# KiCad board demomatrix.kicad_pcb (continued)
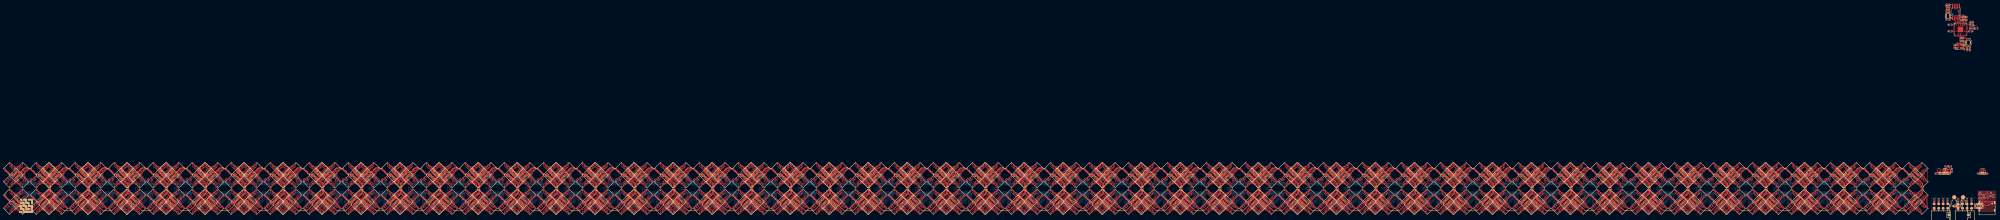
[diagram p0: board, top side]
## Nets (continued)
rgbs[3]-cathodes-cathode-50: LED208.1 U61.16
rgbs[3]-cathodes-cathode-51: LED204.1 U61.17
rgbs[3]-cathodes-cathode-52: LED204.3 U61.18
rgbs[3]-cathodes-cathode-53: LED204.5 U61.19
rgbs[3]-cathodes-cathode-54: LED204.7 U61.20
rgbs[3]-cathodes-cathode-55: LED196.3 U61.6
rgbs[3]-cathodes-cathode-56: LED196.5 U61.7
rgbs[3]-cathodes-cathode-57: LED196.7 U61.8
rgbs[3]-cathodes-cathode-58: LED200.1 U61.9
rgbs[3]-cathodes-cathode-59: LED200.3 U61.10
rgbs[3]-cathodes-cathode-60: LED200.5 U61.11
rgbs[3]-cathodes-cathode-61: LED200.7 U61.12
rgbs[3]-cathodes-cathode-62: LED208.7 U61.13
rgbs[3]-cathodes-cathode-63: LED208.5 U61.14
rgbs[3]-cathodes-cathode-64: LED212.1 U66.5
rgbs[3]-cathodes-cathode-65: LED224.3 U66.15
rgbs[3]-cathodes-cathode-66: LED224.1 U66.16
rgbs[3]-cathodes-cathode-67: LED220.1 U66.17
rgbs[3]-cathodes-cathode-68: LED220.3 U66.18
rgbs[3]-cathodes-cathode-69: LED220.5 U66.19
rgbs[3]-cathodes-cathode-70: LED220.7 U66.20
rgbs[3]-cathodes-cathode-71: LED212.3 U66.6
rgbs[3]-cathodes-cathode-72: LED212.5 U66.7
rgbs[3]-cathodes-cathode-73: LED212.7 U66.8
rgbs[3]-cathodes-cathode-74: LED216.1 U66.9
rgbs[3]-cathodes-cathode-75: LED216.3 U66.10
rgbs[3]-cathodes-cathode-76: LED216.5 U66.11
rgbs[3]-cathodes-cathode-77: LED216.7 U66.12
rgbs[3]-cathodes-cathode-78: LED224.7 U66.13
rgbs[3]-cathodes-cathode-79: LED224.5 U66.14
rgbs[3]-cathodes-cathode-80: LED228.1 U71.5
rgbs[3]-cathodes-cathode-81: LED240.3 U71.15
rgbs[3]-cathodes-cathode-82: LED240.1 U71.16
rgbs[3]-cathodes-cathode-83: LED236.1 U71.17
rgbs[3]-cathodes-cathode-84: LED236.3 U71.18
rgbs[3]-cathodes-cathode-85: LED236.5 U71.19
rgbs[3]-cathodes-cathode-86: LED236.7 U71.20
rgbs[3]-cathodes-cathode-87: LED228.3 U71.6
rgbs[3]-cathodes-cathode-88: LED228.5 U71.7
rgbs[3]-cathodes-cathode-89: LED228.7 U71.8
rgbs[3]-cathodes-cathode-90: LED232.1 U71.9
rgbs[3]-cathodes-cathode-91: LED232.3 U71.10
rgbs[3]-cathodes-cathode-92: LED232.5 U71.11
rgbs[3]-cathodes-cathode-93: LED232.7 U71.12
rgbs[3]-cathodes-cathode-94: LED240.7 U71.13
rgbs[3]-cathodes-cathode-95: LED240.5 U71.14
rgbs[3]-cathodes-cathode-96: LED244.1 U76.5
rgbs[3]-cathodes-cathode-97: LED256.3 U76.15
rgbs[3]-cathodes-cathode-98: LED256.1 U76.16
rgbs[3]-cathodes-cathode-99: LED252.1 U76.17
rgbs[3]-cathodes-cathode-100: LED252.3 U76.18
rgbs[3]-cathodes-cathode-101: LED252.5 U76.19
rgbs[3]-cathodes-cathode-102: LED252.7 U76.20
rgbs[3]-cathodes-cathode-103: LED244.3 U76.6
rgbs[3]-cathodes-cathode-104: LED244.5 U76.7
rgbs[3]-cathodes-cathode-105: LED244.7 U76.8
rgbs[3]-cathodes-cathode-106: LED248.1 U76.9
rgbs[3]-cathodes-cathode-107: LED248.3 U76.10
rgbs[3]-cathodes-cathode-108: LED248.5 U76.11
rgbs[3]-cathodes-cathode-109: LED248.7 U76.12
rgbs[3]-cathodes-cathode-110: LED256.7 U76.13
rgbs[3]-cathodes-cathode-111: LED256.5 U76.14
rgbs[3]-cathodes-cathode-112: LED260.1 U81.5
rgbs[3]-cathodes-cathode-113: LED272.3 U81.15
rgbs[3]-cathodes-cathode-114: LED272.1 U81.16
rgbs[3]-cathodes-cathode-115: LED268.1 U81.17
rgbs[3]-cathodes-cathode-116: LED268.3 U81.18
rgbs[3]-cathodes-cathode-117: LED268.5 U81.19
rgbs[3]-cathodes-cathode-118: LED268.7 U81.20
rgbs[3]-cathodes-cathode-119: LED260.3 U81.6
rgbs[3]-cathodes-cathode-120: LED260.5 U81.7
rgbs[3]-cathodes-cathode-121: LED260.7 U81.8
rgbs[3]-cathodes-cathode-122: LED264.1 U81.9
rgbs[3]-cathodes-cathode-123: LED264.3 U81.10
rgbs[3]-cathodes-cathode-124: LED264.5 U81.11
rgbs[3]-cathodes-cathode-125: LED264.7 U81.12
rgbs[3]-cathodes-cathode-126: LED272.7 U81.13
rgbs[3]-cathodes-cathode-127: LED272.5 U81.14
rgbs[3]-cathodes-cathode-128: LED276.1 U86.5
rgbs[3]-cathodes-cathode-129: LED288.3 U86.15
rgbs[3]-cathodes-cathode-130: LED288.1 U86.16
rgbs[3]-cathodes-cathode-131: LED284.1 U86.17
rgbs[3]-cathodes-cathode-132: LED284.3 U86.18
rgbs[3]-cathodes-cathode-133: LED284.5 U86.19
rgbs[3]-cathodes-cathode-134: LED284.7 U86.20
rgbs[3]-cathodes-cathode-135: LED276.3 U86.6
rgbs[3]-cathodes-cathode-136: LED276.5 U86.7
rgbs[3]-cathodes-cathode-137: LED276.7 U86.8
rgbs[3]-cathodes-cathode-138: LED280.1 U86.9
rgbs[3]-cathodes-cathode-139: LED280.3 U86.10
rgbs[3]-cathodes-cathode-140: LED280.5 U86.11
rgbs[3]-cathodes-cathode-141: LED280.7 U86.12
rgbs[3]-cathodes-cathode-142: LED288.7 U86.13
rgbs[3]-cathodes-cathode-143: LED288.5 U86.14
rgbs[3]-cathodes-cathode-144: LED292.1 U91.5
rgbs[3]-cathodes-cathode-145: LED304.3 U91.15
rgbs[3]-cathodes-cathode-146: LED304.1 U91.16
rgbs[3]-cathodes-cathode-147: LED300.1 U91.17
rgbs[3]-cathodes-cathode-148: LED300.3 U91.18
rgbs[3]-cathodes-cathode-149: LED300.5 U91.19
rgbs[3]-cathodes-cathode-150: LED300.7 U91.20
rgbs[3]-cathodes-cathode-151: LED292.3 U91.6
rgbs[3]-cathodes-cathode-152: LED292.5 U91.7
rgbs[3]-cathodes-cathode-153: LED292.7 U91.8
rgbs[3]-cathodes-cathode-154: LED296.1 U91.9
rgbs[3]-cathodes-cathode-155: LED296.3 U91.10
rgbs[3]-cathodes-cathode-156: LED296.5 U91.11
rgbs[3]-cathodes-cathode-157: LED296.7 U91.12
rgbs[3]-cathodes-cathode-158: LED304.7 U91.13
rgbs[3]-cathodes-cathode-159: LED304.5 U91.14
rgbs[3]-cathodes-cathode-160: LED308.1 U96.5
rgbs[3]-cathodes-cathode-161: LED320.3 U96.15
rgbs[3]-cathodes-cathode-162: LED320.1 U96.16
rgbs[3]-cathodes-cathode-163: LED316.1 U96.17
rgbs[3]-cathodes-cathode-164: LED316.3 U96.18
rgbs[3]-cathodes-cathode-165: LED316.5 U96.19
rgbs[3]-cathodes-cathode-166: LED316.7 U96.20
rgbs[3]-cathodes-cathode-167: LED308.3 U96.6
rgbs[3]-cathodes-cathode-168: LED308.5 U96.7
rgbs[3]-cathodes-cathode-169: LED308.7 U96.8
rgbs[3]-cathodes-cathode-170: LED312.1 U96.9
rgbs[3]-cathodes-cathode-171: LED312.3 U96.10
rgbs[3]-cathodes-cathode-172: LED312.5 U96.11
rgbs[3]-cathodes-cathode-173: LED312.7 U96.12
rgbs[3]-cathodes-cathode-174: LED320.7 U96.13
rgbs[3]-cathodes-cathode-175: LED320.5 U96.14
rgbs[3]-cathodes-cathode-176: LED20.1 U6.5
rgbs[3]-cathodes-cathode-177: LED32.3 U6.15
rgbs[3]-cathodes-cathode-178: LED32.1 U6.16
rgbs[3]-cathodes-cathode-179: LED28.1 U6.17
rgbs[3]-cathodes-cathode-180: LED28.3 U6.18
rgbs[3]-cathodes-cathode-181: LED28.5 U6.19
rgbs[3]-cathodes-cathode-182: LED28.7 U6.20
rgbs[3]-cathodes-cathode-183: LED20.3 U6.6
rgbs[3]-cathodes-cathode-184: LED20.5 U6.7
rgbs[3]-cathodes-cathode-185: LED20.7 U6.8
rgbs[3]-cathodes-cathode-186: LED24.1 U6.9
rgbs[3]-cathodes-cathode-187: LED24.3 U6.10
rgbs[3]-cathodes-cathode-188: LED24.5 U6.11
rgbs[3]-cathodes-cathode-189: LED24.7 U6.12
rgbs[3]-cathodes-cathode-190: LED32.7 U6.13
rgbs[3]-cathodes-cathode-191: LED32.5 U6.14
rgbs[3]-cathodes-cathode-192: LED324.1 U101.5
rgbs[3]-cathodes-cathode-193: LED336.3 U101.15
rgbs[3]-cathodes-cathode-194: LED336.1 U101.16
rgbs[3]-cathodes-cathode-195: LED332.1 U101.17
rgbs[3]-cathodes-cathode-196: LED332.3 U101.18
rgbs[3]-cathodes-cathode-197: LED332.5 U101.19
rgbs[3]-cathodes-cathode-198: LED332.7 U101.20
rgbs[3]-cathodes-cathode-199: LED324.3 U101.6
rgbs[3]-cathodes-cathode-200: LED324.5 U101.7
rgbs[3]-cathodes-cathode-201: LED324.7 U101.8
rgbs[3]-cathodes-cathode-202: LED328.1 U101.9
rgbs[3]-cathodes-cathode-203: LED328.3 U101.10
rgbs[3]-cathodes-cathode-204: LED328.5 U101.11
rgbs[3]-cathodes-cathode-205: LED328.7 U101.12
rgbs[3]-cathodes-cathode-206: LED336.7 U101.13
rgbs[3]-cathodes-cathode-207: LED336.5 U101.14
rgbs[3]-cathodes-cathode-208: LED340.1 U106.5
rgbs[3]-cathodes-cathode-209: LED352.3 U106.15
rgbs[3]-cathodes-cathode-210: LED352.1 U106.16
rgbs[3]-cathodes-cathode-211: LED348.1 U106.17
rgbs[3]-cathodes-cathode-212: LED348.3 U106.18
rgbs[3]-cathodes-cathode-213: LED348.5 U106.19
rgbs[3]-cathodes-cathode-214: LED348.7 U106.20
rgbs[3]-cathodes-cathode-215: LED340.3 U106.6
rgbs[3]-cathodes-cathode-216: LED340.5 U106.7
rgbs[3]-cathodes-cathode-217: LED340.7 U106.8
rgbs[3]-cathodes-cathode-218: LED344.1 U106.9
rgbs[3]-cathodes-cathode-219: LED344.3 U106.10
rgbs[3]-cathodes-cathode-220: LED344.5 U106.11
rgbs[3]-cathodes-cathode-221: LED344.7 U106.12
rgbs[3]-cathodes-cathode-222: LED352.7 U106.13
rgbs[3]-cathodes-cathode-223: LED352.5 U106.14
rgbs[3]-cathodes-cathode-224: LED356.1 U111.5
rgbs[3]-cathodes-cathode-225: LED368.3 U111.15
rgbs[3]-cathodes-cathode-226: LED368.1 U111.16
rgbs[3]-cathodes-cathode-227: LED364.1 U111.17
rgbs[3]-cathodes-cathode-228: LED364.3 U111.18
rgbs[3]-cathodes-cathode-229: LED364.5 U111.19
rgbs[3]-cathodes-cathode-230: LED364.7 U111.20
rgbs[3]-cathodes-cathode-231: LED356.3 U111.6
rgbs[3]-cathodes-cathode-232: LED356.5 U111.7
rgbs[3]-cathodes-cathode-233: LED356.7 U111.8
rgbs[3]-cathodes-cathode-234: LED360.1 U111.9
rgbs[3]-cathodes-cathode-235: LED360.3 U111.10
rgbs[3]-cathodes-cathode-236: LED360.5 U111.11
rgbs[3]-cathodes-cathode-237: LED360.7 U111.12
rgbs[3]-cathodes-cathode-238: LED368.7 U111.13
rgbs[3]-cathodes-cathode-239: LED368.5 U111.14
rgbs[3]-cathodes-cathode-240: LED372.1 U116.5
rgbs[3]-cathodes-cathode-241: LED384.3 U116.15
rgbs[3]-cathodes-cathode-242: LED384.1 U116.16
rgbs[3]-cathodes-cathode-243: LED380.1 U116.17
rgbs[3]-cathodes-cathode-244: LED380.3 U116.18
rgbs[3]-cathodes-cathode-245: LED380.5 U116.19
rgbs[3]-cathodes-cathode-246: LED380.7 U116.20
rgbs[3]-cathodes-cathode-247: LED372.3 U116.6
rgbs[3]-cathodes-cathode-248: LED372.5 U116.7
rgbs[3]-cathodes-cathode-249: LED372.7 U116.8
rgbs[3]-cathodes-cathode-250: LED376.1 U116.9
rgbs[3]-cathodes-cathode-251: LED376.3 U116.10
rgbs[3]-cathodes-cathode-252: LED376.5 U116.11
rgbs[3]-cathodes-cathode-253: LED376.7 U116.12
rgbs[3]-cathodes-cathode-254: LED384.7 U116.13
rgbs[3]-cathodes-cathode-255: LED384.5 U116.14
rgbs[3]-cathodes-cathode-256: LED388.1 U121.5
rgbs[3]-cathodes-cathode-257: LED400.3 U121.15
rgbs[3]-cathodes-cathode-258: LED400.1 U121.16
rgbs[3]-cathodes-cathode-259: LED396.1 U121.17
rgbs[3]-cathodes-cathode-260: LED396.3 U121.18
rgbs[3]-cathodes-cathode-261: LED396.5 U121.19
rgbs[3]-cathodes-cathode-262: LED396.7 U121.20
rgbs[3]-cathodes-cathode-263: LED388.3 U121.6
rgbs[3]-cathodes-cathode-264: LED388.5 U121.7
rgbs[3]-cathodes-cathode-265: LED388.7 U121.8
rgbs[3]-cathodes-cathode-266: LED392.1 U121.9
rgbs[3]-cathodes-cathode-267: LED392.3 U121.10
rgbs[3]-cathodes-cathode-268: LED392.5 U121.11
rgbs[3]-cathodes-cathode-269: LED392.7 U121.12
rgbs[3]-cathodes-cathode-270: LED400.7 U121.13
rgbs[3]-cathodes-cathode-271: LED400.5 U121.14
rgbs[3]-cathodes-cathode-272: LED404.1 U126.5
rgbs[3]-cathodes-cathode-273: LED416.3 U126.15
rgbs[3]-cathodes-cathode-274: LED416.1 U126.16
rgbs[3]-cathodes-cathode-275: LED412.1 U126.17
rgbs[3]-cathodes-cathode-276: LED412.3 U126.18
rgbs[3]-cathodes-cathode-277: LED412.5 U126.19
rgbs[3]-cathodes-cathode-278: LED412.7 U126.20
rgbs[3]-cathodes-cathode-279: LED404.3 U126.6
rgbs[3]-cathodes-cathode-280: LED404.5 U126.7
rgbs[3]-cathodes-cathode-281: LED404.7 U126.8
rgbs[3]-cathodes-cathode-282: LED408.1 U126.9
rgbs[3]-cathodes-cathode-283: LED408.3 U126.10
rgbs[3]-cathodes-cathode-284: LED408.5 U126.11
rgbs[3]-cathodes-cathode-285: LED408.7 U126.12
rgbs[3]-cathodes-cathode-286: LED416.7 U126.13
rgbs[3]-cathodes-cathode-287: LED416.5 U126.14
rgbs[3]-cathodes-cathode-288: LED420.1 U131.5
rgbs[3]-cathodes-cathode-289: LED432.3 U131.15
rgbs[3]-cathodes-cathode-290: LED432.1 U131.16
rgbs[3]-cathodes-cathode-291: LED428.1 U131.17
rgbs[3]-cathodes-cathode-292: LED428.3 U131.18
rgbs[3]-cathodes-cathode-293: LED428.5 U131.19
rgbs[3]-cathodes-cathode-294: LED428.7 U131.20
rgbs[3]-cathodes-cathode-295: LED420.3 U131.6
rgbs[3]-cathodes-cathode-296: LED420.5 U131.7
rgbs[3]-cathodes-cathode-297: LED420.7 U131.8
rgbs[3]-cathodes-cathode-298: LED424.1 U131.9
rgbs[3]-cathodes-cathode-299: LED424.3 U131.10
rgbs[3]-cathodes-cathode-300: LED424.5 U131.11
rgbs[3]-cathodes-cathode-301: LED424.7 U131.12
rgbs[3]-cathodes-cathode-302: LED432.7 U131.13
rgbs[3]-cathodes-cathode-303: LED432.5 U131.14
rgbs[3]-cathodes-cathode-304: LED436.1 U136.5
rgbs[3]-cathodes-cathode-305: LED448.3 U136.15
rgbs[3]-cathodes-cathode-306: LED448.1 U136.16
rgbs[3]-cathodes-cathode-307: LED444.1 U136.17
rgbs[3]-cathodes-cathode-308: LED444.3 U136.18
rgbs[3]-cathodes-cathode-309: LED444.5 U136.19
rgbs[3]-cathodes-cathode-310: LED444.7 U136.20
rgbs[3]-cathodes-cathode-311: LED436.3 U136.6
rgbs[3]-cathodes-cathode-312: LED436.5 U136.7
rgbs[3]-cathodes-cathode-313: LED436.7 U136.8
rgbs[3]-cathodes-cathode-314: LED440.1 U136.9
rgbs[3]-cathodes-cathode-315: LED440.3 U136.10
rgbs[3]-cathodes-cathode-316: LED440.5 U136.11
rgbs[3]-cathodes-cathode-317: LED440.7 U136.12
rgbs[3]-cathodes-cathode-318: LED448.7 U136.13
rgbs[3]-cathodes-cathode-319: LED448.5 U136.14
rgbs[3]-cathodes-cathode-320: LED452.1 U141.5
rgbs[3]-cathodes-cathode-321: LED464.3 U141.15
rgbs[3]-cathodes-cathode-322: LED464.1 U141.16
rgbs[3]-cathodes-cathode-323: LED460.1 U141.17
rgbs[3]-cathodes-cathode-324: LED460.3 U141.18
rgbs[3]-cathodes-cathode-325: LED460.5 U141.19
rgbs[3]-cathodes-cathode-326: LED460.7 U141.20
rgbs[3]-cathodes-cathode-327: LED452.3 U141.6
rgbs[3]-cathodes-cathode-328: LED452.5 U141.7
rgbs[3]-cathodes-cathode-329: LED452.7 U141.8
rgbs[3]-cathodes-cathode-330: LED456.1 U141.9
rgbs[3]-cathodes-cathode-331: LED456.3 U141.10
rgbs[3]-cathodes-cathode-332: LED456.5 U141.11
rgbs[3]-cathodes-cathode-333: LED456.7 U141.12
rgbs[3]-cathodes-cathode-334: LED464.7 U141.13
rgbs[3]-cathodes-cathode-335: LED464.5 U141.14
rgbs[3]-cathodes-cathode-336: LED468.1 U146.5
rgbs[3]-cathodes-cathode-337: LED480.3 U146.15
rgbs[3]-cathodes-cathode-338: LED480.1 U146.16
rgbs[3]-cathodes-cathode-339: LED476.1 U146.17
rgbs[3]-cathodes-cathode-340: LED476.3 U146.18
rgbs[3]-cathodes-cathode-341: LED476.5 U146.19
rgbs[3]-cathodes-cathode-342: LED476.7 U146.20
rgbs[3]-cathodes-cathode-343: LED468.3 U146.6
rgbs[3]-cathodes-cathode-344: LED468.5 U146.7
rgbs[3]-cathodes-cathode-345: LED468.7 U146.8
rgbs[3]-cathodes-cathode-346: LED472.1 U146.9
rgbs[3]-cathodes-cathode-347: LED472.3 U146.10
rgbs[3]-cathodes-cathode-348: LED472.5 U146.11
rgbs[3]-cathodes-cathode-349: LED472.7 U146.12
rgbs[3]-cathodes-cathode-350: LED480.7 U146.13
rgbs[3]-cathodes-cathode-351: LED480.5 U146.14
rgbs[3]-cathodes-cathode-352: LED36.1 U11.5
rgbs[3]-cathodes-cathode-353: LED48.3 U11.15
rgbs[3]-cathodes-cathode-354: LED48.1 U11.16
rgbs[3]-cathodes-cathode-355: LED44.1 U11.17
rgbs[3]-cathodes-cathode-356: LED44.3 U11.18
rgbs[3]-cathodes-cathode-357: LED44.5 U11.19
rgbs[3]-cathodes-cathode-358: LED44.7 U11.20
rgbs[3]-cathodes-cathode-359: LED36.3 U11.6
rgbs[3]-cathodes-cathode-360: LED36.5 U11.7
rgbs[3]-cathodes-cathode-361: LED36.7 U11.8
rgbs[3]-cathodes-cathode-362: LED40.1 U11.9
rgbs[3]-cathodes-cathode-363: LED40.3 U11.10
rgbs[3]-cathodes-cathode-364: LED40.5 U11.11
rgbs[3]-cathodes-cathode-365: LED40.7 U11.12
rgbs[3]-cathodes-cathode-366: LED48.7 U11.13
rgbs[3]-cathodes-cathode-367: LED48.5 U11.14
rgbs[3]-cathodes-cathode-368: LED484.1 U151.5
rgbs[3]-cathodes-cathode-369: LED496.3 U151.15
rgbs[3]-cathodes-cathode-370: LED496.1 U151.16
rgbs[3]-cathodes-cathode-371: LED492.1 U151.17
rgbs[3]-cathodes-cathode-372: LED492.3 U151.18
rgbs[3]-cathodes-cathode-373: LED492.5 U151.19
rgbs[3]-cathodes-cathode-374: LED492.7 U151.20
rgbs[3]-cathodes-cathode-375: LED484.3 U151.6
rgbs[3]-cathodes-cathode-376: LED484.5 U151.7
rgbs[3]-cathodes-cathode-377: LED484.7 U151.8
rgbs[3]-cathodes-cathode-378: LED488.1 U151.9
rgbs[3]-cathodes-cathode-379: LED488.3 U151.10
rgbs[3]-cathodes-cathode-380: LED488.5 U151.11
rgbs[3]-cathodes-cathode-381: LED488.7 U151.12
rgbs[3]-cathodes-cathode-382: LED496.7 U151.13
rgbs[3]-cathodes-cathode-383: LED496.5 U151.14
rgbs[3]-cathodes-cathode-384: LED500.1 U156.5
rgbs[3]-cathodes-cathode-385: LED512.3 U156.15
rgbs[3]-cathodes-cathode-386: LED512.1 U156.16
rgbs[3]-cathodes-cathode-387: LED508.1 U156.17
rgbs[3]-cathodes-cathode-388: LED508.3 U156.18
rgbs[3]-cathodes-cathode-389: LED508.5 U156.19
rgbs[3]-cathodes-cathode-390: LED508.7 U156.20
rgbs[3]-cathodes-cathode-391: LED500.3 U156.6
rgbs[3]-cathodes-cathode-392: LED500.5 U156.7
rgbs[3]-cathodes-cathode-393: LED500.7 U156.8
rgbs[3]-cathodes-cathode-394: LED504.1 U156.9
rgbs[3]-cathodes-cathode-395: LED504.3 U156.10
rgbs[3]-cathodes-cathode-396: LED504.5 U156.11
rgbs[3]-cathodes-cathode-397: LED504.7 U156.12
rgbs[3]-cathodes-cathode-398: LED512.7 U156.13
rgbs[3]-cathodes-cathode-399: LED512.5 U156.14
rgbs[3]-cathodes-cathode-400: LED516.1 U161.5
rgbs[3]-cathodes-cathode-401: LED528.3 U161.15
rgbs[3]-cathodes-cathode-402: LED528.1 U161.16
rgbs[3]-cathodes-cathode-403: LED524.1 U161.17
rgbs[3]-cathodes-cathode-404: LED524.3 U161.18
rgbs[3]-cathodes-cathode-405: LED524.5 U161.19
rgbs[3]-cathodes-cathode-406: LED524.7 U161.20
rgbs[3]-cathodes-cathode-407: LED516.3 U161.6
rgbs[3]-cathodes-cathode-408: LED516.5 U161.7
rgbs[3]-cathodes-cathode-409: LED516.7 U161.8
rgbs[3]-cathodes-cathode-410: LED520.1 U161.9
rgbs[3]-cathodes-cathode-411: LED520.3 U161.10
rgbs[3]-cathodes-cathode-412: LED520.5 U161.11
rgbs[3]-cathodes-cathode-413: LED520.7 U161.12
rgbs[3]-cathodes-cathode-414: LED528.7 U161.13
rgbs[3]-cathodes-cathode-415: LED528.5 U161.14
rgbs[3]-cathodes-cathode-416: LED532.1 U166.5
rgbs[3]-cathodes-cathode-417: LED544.3 U166.15
rgbs[3]-cathodes-cathode-418: LED544.1 U166.16
rgbs[3]-cathodes-cathode-419: LED540.1 U166.17
rgbs[3]-cathodes-cathode-420: LED540.3 U166.18
rgbs[3]-cathodes-cathode-421: LED540.5 U166.19
rgbs[3]-cathodes-cathode-422: LED540.7 U166.20
rgbs[3]-cathodes-cathode-423: LED532.3 U166.6
rgbs[3]-cathodes-cathode-424: LED532.5 U166.7
rgbs[3]-cathodes-cathode-425: LED532.7 U166.8
rgbs[3]-cathodes-cathode-426: LED536.1 U166.9
rgbs[3]-cathodes-cathode-427: LED536.3 U166.10
rgbs[3]-cathodes-cathode-428: LED536.5 U166.11
rgbs[3]-cathodes-cathode-429: LED536.7 U166.12
rgbs[3]-cathodes-cathode-430: LED544.7 U166.13
rgbs[3]-cathodes-cathode-431: LED544.5 U166.14
rgbs[3]-cathodes-cathode-432: LED548.1 U171.5
rgbs[3]-cathodes-cathode-433: LED560.3 U171.15
rgbs[3]-cathodes-cathode-434: LED560.1 U171.16
rgbs[3]-cathodes-cathode-435: LED556.1 U171.17
rgbs[3]-cathodes-cathode-436: LED556.3 U171.18
rgbs[3]-cathodes-cathode-437: LED556.5 U171.19
rgbs[3]-cathodes-cathode-438: LED556.7 U171.20
rgbs[3]-cathodes-cathode-439: LED548.3 U171.6
rgbs[3]-cathodes-cathode-440: LED548.5 U171.7
rgbs[3]-cathodes-cathode-441: LED548.7 U171.8
rgbs[3]-cathodes-cathode-442: LED552.1 U171.9
rgbs[3]-cathodes-cathode-443: LED552.3 U171.10
rgbs[3]-cathodes-cathode-444: LED552.5 U171.11
rgbs[3]-cathodes-cathode-445: LED552.7 U171.12
rgbs[3]-cathodes-cathode-446: LED560.7 U171.13
rgbs[3]-cathodes-cathode-447: LED560.5 U171.14
rgbs[3]-cathodes-cathode-448: LED564.1 U176.5
rgbs[3]-cathodes-cathode-449: LED576.3 U176.15
rgbs[3]-cathodes-cathode-450: LED576.1 U176.16
rgbs[3]-cathodes-cathode-451: LED572.1 U176.17
rgbs[3]-cathodes-cathode-452: LED572.3 U176.18
rgbs[3]-cathodes-cathode-453: LED572.5 U176.19
rgbs[3]-cathodes-cathode-454: LED572.7 U176.20
rgbs[3]-cathodes-cathode-455: LED564.3 U176.6
rgbs[3]-cathodes-cathode-456: LED564.5 U176.7
rgbs[3]-cathodes-cathode-457: LED564.7 U176.8
rgbs[3]-cathodes-cathode-458: LED568.1 U176.9
rgbs[3]-cathodes-cathode-459: LED568.3 U176.10
rgbs[3]-cathodes-cathode-460: LED568.5 U176.11
rgbs[3]-cathodes-cathode-461: LED568.7 U176.12
rgbs[3]-cathodes-cathode-462: LED576.7 U176.13
rgbs[3]-cathodes-cathode-463: LED576.5 U176.14
rgbs[3]-cathodes-cathode-464: LED580.1 U181.5
rgbs[3]-cathodes-cathode-465: LED592.3 U181.15
rgbs[3]-cathodes-cathode-466: LED592.1 U181.16
rgbs[3]-cathodes-cathode-467: LED588.1 U181.17
rgbs[3]-cathodes-cathode-468: LED588.3 U181.18
rgbs[3]-cathodes-cathode-469: LED588.5 U181.19
rgbs[3]-cathodes-cathode-470: LED588.7 U181.20
rgbs[3]-cathodes-cathode-471: LED580.3 U181.6
rgbs[3]-cathodes-cathode-472: LED580.5 U181.7
rgbs[3]-cathodes-cathode-473: LED580.7 U181.8
rgbs[3]-cathodes-cathode-474: LED584.1 U181.9
rgbs[3]-cathodes-cathode-475: LED584.3 U181.10
rgbs[3]-cathodes-cathode-476: LED584.5 U181.11
rgbs[3]-cathodes-cathode-477: LED584.7 U181.12
rgbs[3]-cathodes-cathode-478: LED592.7 U181.13
rgbs[3]-cathodes-cathode-479: LED592.5 U181.14
rgbs[3]-cathodes-cathode-480: LED596.1 U186.5
rgbs[3]-cathodes-cathode-481: LED608.3 U186.15
rgbs[3]-cathodes-cathode-482: LED608.1 U186.16
rgbs[3]-cathodes-cathode-483: LED604.1 U186.17
rgbs[3]-cathodes-cathode-484: LED604.3 U186.18
rgbs[3]-cathodes-cathode-485: LED604.5 U186.19
rgbs[3]-cathodes-cathode-486: LED604.7 U186.20
rgbs[3]-cathodes-cathode-487: LED596.3 U186.6
rgbs[3]-cathodes-cathode-488: LED596.5 U186.7
rgbs[3]-cathodes-cathode-489: LED596.7 U186.8
rgbs[3]-cathodes-cathode-490: LED600.1 U186.9
rgbs[3]-cathodes-cathode-491: LED600.3 U186.10
rgbs[3]-cathodes-cathode-492: LED600.5 U186.11
rgbs[3]-cathodes-cathode-493: LED600.7 U186.12
rgbs[3]-cathodes-cathode-494: LED608.7 U186.13
rgbs[3]-cathodes-cathode-495: LED608.5 U186.14
rgbs[3]-cathodes-cathode-496: LED612.1 U191.5
rgbs[3]-cathodes-cathode-497: LED624.3 U191.15
rgbs[3]-cathodes-cathode-498: LED624.1 U191.16
rgbs[3]-cathodes-cathode-499: LED620.1 U191.17
rgbs[3]-cathodes-cathode-500: LED620.3 U191.18
rgbs[3]-cathodes-cathode-501: LED620.5 U191.19
rgbs[3]-cathodes-cathode-502: LED620.7 U191.20
rgbs[3]-cathodes-cathode-503: LED612.3 U191.6
rgbs[3]-cathodes-cathode-504: LED612.5 U191.7
rgbs[3]-cathodes-cathode-505: LED612.7 U191.8
rgbs[3]-cathodes-cathode-506: LED616.1 U191.9
rgbs[3]-cathodes-cathode-507: LED616.3 U191.10
rgbs[3]-cathodes-cathode-508: LED616.5 U191.11
rgbs[3]-cathodes-cathode-509: LED616.7 U191.12
rgbs[3]-cathodes-cathode-510: LED624.7 U191.13
rgbs[3]-cathodes-cathode-511: LED624.5 U191.14
rgbs[3]-cathodes-cathode-512: LED628.1 U196.5
rgbs[3]-cathodes-cathode-513: LED640.3 U196.15
rgbs[3]-cathodes-cathode-514: LED640.1 U196.16
rgbs[3]-cathodes-cathode-515: LED636.1 U196.17
rgbs[3]-cathodes-cathode-516: LED636.3 U196.18
rgbs[3]-cathodes-cathode-517: LED636.5 U196.19
rgbs[3]-cathodes-cathode-518: LED636.7 U196.20
rgbs[3]-cathodes-cathode-519: LED628.3 U196.6
rgbs[3]-cathodes-cathode-520: LED628.5 U196.7
rgbs[3]-cathodes-cathode-521: LED628.7 U196.8
rgbs[3]-cathodes-cathode-522: LED632.1 U196.9
rgbs[3]-cathodes-cathode-523: LED632.3 U196.10
rgbs[3]-cathodes-cathode-524: LED632.5 U196.11
rgbs[3]-cathodes-cathode-525: LED632.7 U196.12
rgbs[3]-cathodes-cathode-526: LED640.7 U196.13
rgbs[3]-cathodes-cathode-527: LED640.5 U196.14
rgbs[3]-cathodes-cathode-528: LED52.1 U16.5
rgbs[3]-cathodes-cathode-529: LED64.3 U16.15
rgbs[3]-cathodes-cathode-530: LED64.1 U16.16
rgbs[3]-cathodes-cathode-531: LED60.1 U16.17
rgbs[3]-cathodes-cathode-532: LED60.3 U16.18
rgbs[3]-cathodes-cathode-533: LED60.5 U16.19
rgbs[3]-cathodes-cathode-534: LED60.7 U16.20
rgbs[3]-cathodes-cathode-535: LED52.3 U16.6
rgbs[3]-cathodes-cathode-536: LED52.5 U16.7
rgbs[3]-cathodes-cathode-537: LED52.7 U16.8
rgbs[3]-cathodes-cathode-538: LED56.1 U16.9
rgbs[3]-cathodes-cathode-539: LED56.3 U16.10
rgbs[3]-cathodes-cathode-540: LED56.5 U16.11
rgbs[3]-cathodes-cathode-541: LED56.7 U16.12
rgbs[3]-cathodes-cathode-542: LED64.7 U16.13
rgbs[3]-cathodes-cathode-543: LED64.5 U16.14
rgbs[3]-cathodes-cathode-544: LED644.1 U201.5
rgbs[3]-cathodes-cathode-545: LED656.3 U201.15
rgbs[3]-cathodes-cathode-546: LED656.1 U201.16
rgbs[3]-cathodes-cathode-547: LED652.1 U201.17
rgbs[3]-cathodes-cathode-548: LED652.3 U201.18
rgbs[3]-cathodes-cathode-549: LED652.5 U201.19
rgbs[3]-cathodes-cathode-550: LED652.7 U201.20
rgbs[3]-cathodes-cathode-551: LED644.3 U201.6
rgbs[3]-cathodes-cathode-552: LED644.5 U201.7
rgbs[3]-cathodes-cathode-553: LED644.7 U201.8
rgbs[3]-cathodes-cathode-554: LED648.1 U201.9
rgbs[3]-cathodes-cathode-555: LED648.3 U201.10
rgbs[3]-cathodes-cathode-556: LED648.5 U201.11
rgbs[3]-cathodes-cathode-557: LED648.7 U201.12
rgbs[3]-cathodes-cathode-558: LED656.7 U201.13
rgbs[3]-cathodes-cathode-559: LED656.5 U201.14
rgbs[3]-cathodes-cathode-560: LED660.1 U206.5
rgbs[3]-cathodes-cathode-561: LED672.3 U206.15
rgbs[3]-cathodes-cathode-562: LED672.1 U206.16
rgbs[3]-cathodes-cathode-563: LED668.1 U206.17
rgbs[3]-cathodes-cathode-564: LED668.3 U206.18
rgbs[3]-cathodes-cathode-565: LED668.5 U206.19
rgbs[3]-cathodes-cathode-566: LED668.7 U206.20
rgbs[3]-cathodes-cathode-567: LED660.3 U206.6
rgbs[3]-cathodes-cathode-568: LED660.5 U206.7
rgbs[3]-cathodes-cathode-569: LED660.7 U206.8
rgbs[3]-cathodes-cathode-570: LED664.1 U206.9
rgbs[3]-cathodes-cathode-571: LED664.3 U206.10
rgbs[3]-cathodes-cathode-572: LED664.5 U206.11
rgbs[3]-cathodes-cathode-573: LED664.7 U206.12
rgbs[3]-cathodes-cathode-574: LED672.7 U206.13
rgbs[3]-cathodes-cathode-575: LED672.5 U206.14
rgbs[3]-cathodes-cathode-576: LED676.1 U211.5
rgbs[3]-cathodes-cathode-577: LED688.3 U211.15
rgbs[3]-cathodes-cathode-578: LED688.1 U211.16
rgbs[3]-cathodes-cathode-579: LED684.1 U211.17
rgbs[3]-cathodes-cathode-580: LED684.3 U211.18
rgbs[3]-cathodes-cathode-581: LED684.5 U211.19
rgbs[3]-cathodes-cathode-582: LED684.7 U211.20
rgbs[3]-cathodes-cathode-583: LED676.3 U211.6
rgbs[3]-cathodes-cathode-584: LED676.5 U211.7
rgbs[3]-cathodes-cathode-585: LED676.7 U211.8
rgbs[3]-cathodes-cathode-586: LED680.1 U211.9
rgbs[3]-cathodes-cathode-587: LED680.3 U211.10
rgbs[3]-cathodes-cathode-588: LED680.5 U211.11
rgbs[3]-cathodes-cathode-589: LED680.7 U211.12
rgbs[3]-cathodes-cathode-590: LED688.7 U211.13
